# Altium PCB FMC_SDR_LFFE.PcbDoc (part 1 of 3) (continued)
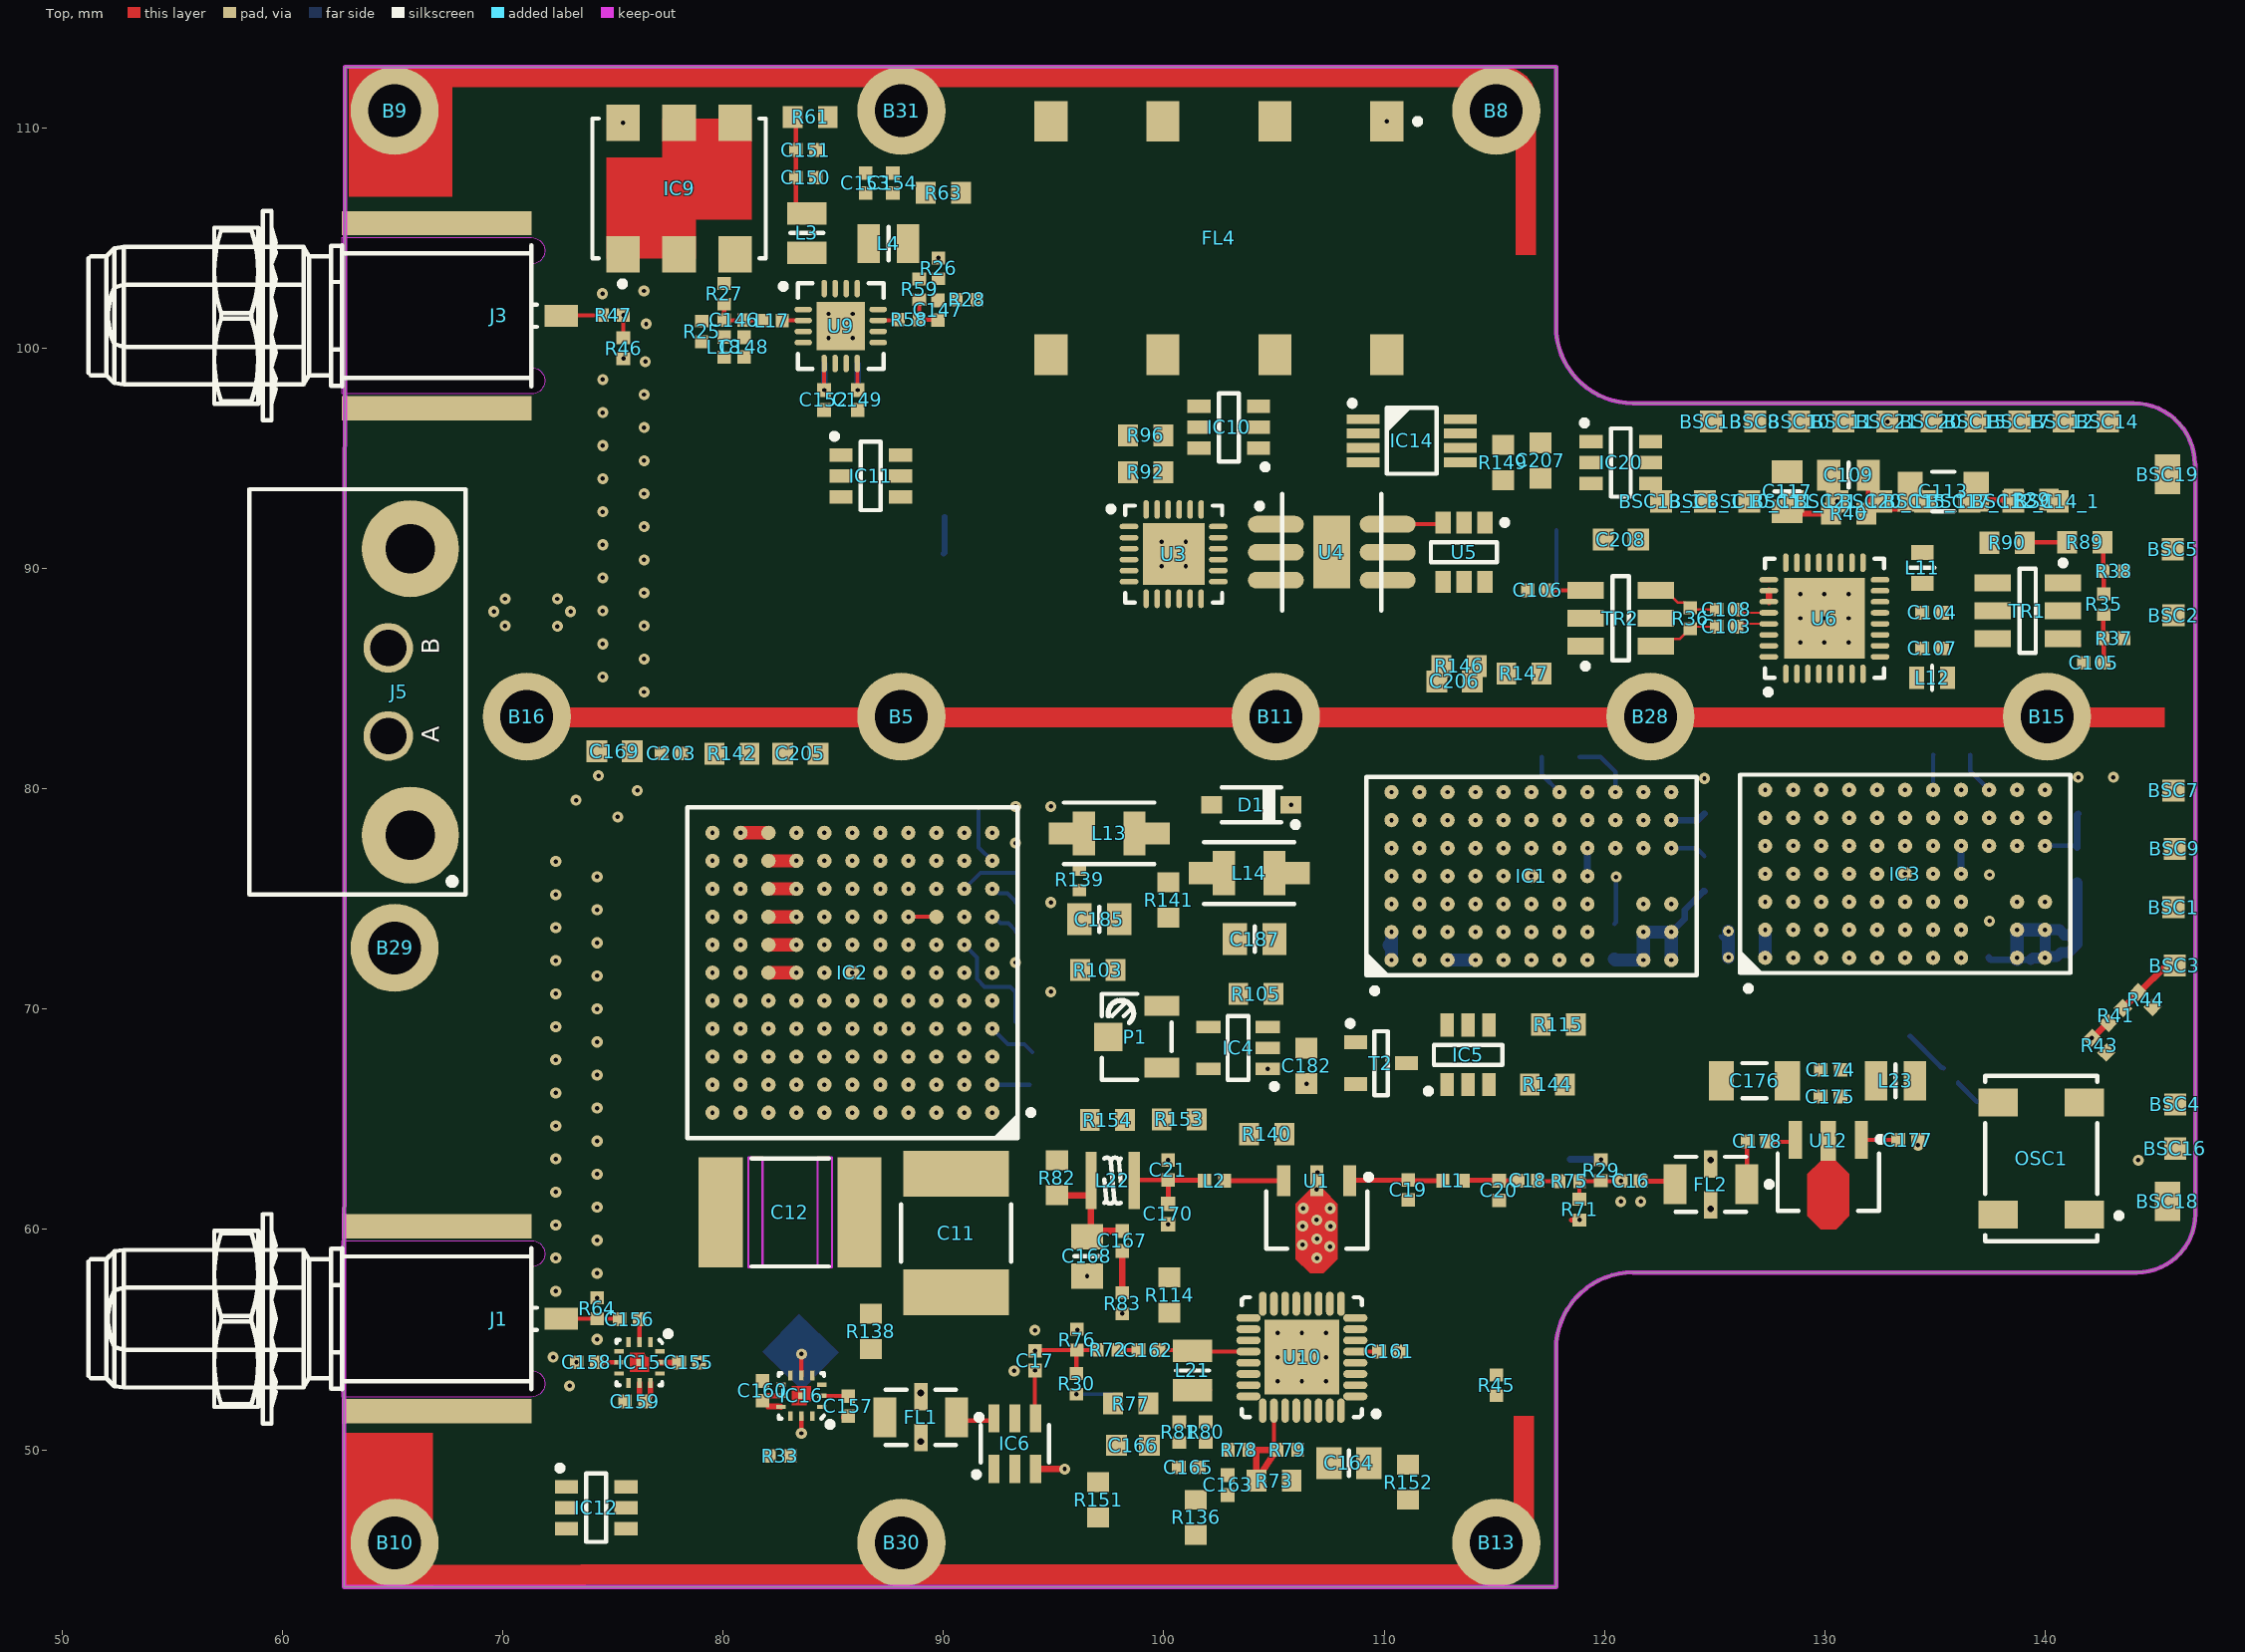
[diagram p0: Top view]
## Components (designator, comment, footprint, x,y, rotation, side; value= is the part's Value field where it differs from the comment)
B5 "Plated Hole" MTG240_400 88.088,83.28 r0 top
B8 "Plated Hole" MTG240_400 115.088,110.78 r0 top
B9 "Plated Hole" MTG240_400 65.088,110.78 r0 top
B10 "Plated Hole" MTG240_400 65.088,45.78 r0 top
B11 "Plated Hole" MTG240_400 105.088,83.28 r0 top
B13 "Plated Hole" MTG240_400 115.088,45.78 r0 top
B15 "Plated Hole" MTG240_400 140.088,83.28 r0 top
B16 "Plated Hole" MTG240_400 71.088,83.28 r0 top
B28 "Plated Hole" MTG240_400 122.088,83.28 r0 top
B29 "Plated Hole" MTG240_400 65.088,72.78 r0 top
B30 "Plated Hole" MTG240_400 88.088,45.78 r0 top
B31 "Plated Hole" MTG240_400 88.088,110.78 r0 top
BSC1 "06031206 Male" PCB_CONN_0603M 145.825,74.627 r0 top locked
BSC2 "06031206 Male" PCB_CONN_0603M 145.825,87.875 r0 top locked
BSC3 "06031206 Male" PCB_CONN_0603M 145.875,71.978 r0 top locked
BSC4 "06031206 Male" PCB_CONN_0603M 145.9,65.68 r0 top locked
BSC5 "06031206 Male" PCB_CONN_0603M 145.8,90.875 r0 top locked
BSC7 "06031206 Male" PCB_CONN_0603M 145.825,79.923 r0 top locked
BSC8 "06031206 Male" PCB_CONN_0603M 126.84,96.672 r90 top locked
BSC8_1 "06031206 Male" PCB_CONN_0603M 124.565,93.047 r90 top (schematic designator BSC8)
BSC9 "06031206 Male" PCB_CONN_0603M 145.875,77.275 r0 top locked
BSC10 "06031206 Male" PCB_CONN_0603M 128.84,96.672 r90 top locked
BSC10_1 "06031206 Male" PCB_CONN_0603M 126.565,93.047 r90 top (schematic designator BSC10)
BSC11 "06031206 Male" PCB_CONN_0603M 130.84,96.672 r90 top locked
BSC11_1 "06031206 Male" PCB_CONN_0603M 128.565,93.047 r90 top (schematic designator BSC11)
BSC12 "06031206 Male" PCB_CONN_0603M 140.84,96.672 r90 top locked
BSC12_1 "06031206 Male" PCB_CONN_0603M 138.565,93.047 r90 top (schematic designator BSC12)
BSC13 "06031206 Male" PCB_CONN_0603M 124.84,96.672 r90 top locked
BSC13_1 "06031206 Male" PCB_CONN_0603M 122.565,93.047 r90 top (schematic designator BSC13)
BSC14 "06031206 Male" PCB_CONN_0603M 142.84,96.672 r90 top locked
BSC14_1 "06031206 Male" PCB_CONN_0603M 140.565,93.047 r90 top (schematic designator BSC14)
BSC15 "06031206 Male" PCB_CONN_0603M 136.84,96.672 r90 top locked
BSC15_1 "06031206 Male" PCB_CONN_0603M 134.565,93.047 r90 top (schematic designator BSC15)
BSC16 "06031206 Male" PCB_CONN_0603M 145.9,63.675 r0 top locked
BSC17 "06031206 Male" PCB_CONN_0603M 138.84,96.672 r90 top locked
BSC17_1 "06031206 Male" PCB_CONN_0603M 136.565,93.047 r90 top (schematic designator BSC17)
BSC18 "1206 Male" PCB_CONN_1206M 145.55,61.275 r0 top locked
BSC19 "1206 Male" PCB_CONN_1206M 145.55,94.275 r0 top locked
BSC20 "06031206 Male" PCB_CONN_0603M 134.84,96.672 r90 top locked
BSC20_1 "06031206 Male" PCB_CONN_0603M 132.565,93.047 r90 top (schematic designator BSC20)
BSC21 "06031206 Male" PCB_CONN_0603M 132.84,96.672 r90 top locked
BSC21_1 "06031206 Male" PCB_CONN_0603M 130.565,93.047 r90 top (schematic designator BSC21)
C1 "2.2uF" CAPC3216X180N 122.4,70.675 r90 bottom
C2 "22uF" CAPC3216X180N 129.2,70.65 r90 bottom
C3 "10uF" CAPC2012X135N 109.325,72.9 r0 bottom
C4 "2.2uF" CAPC3216X180N 82.146,72.302 r180 bottom
C5 "2.2uF" CAPC3216X180N 82.121,74.819 r180 bottom
C6 "2.2uF" CAPC3216X180N 77.471,70.144 r90 bottom
C7 "2.2uF" CAPC3216X180N 82.121,77.369 r180 bottom
C8 "Undefined" CAPC1608X90N 90.846,78.994 r0 bottom
C9 "Undefined" CAPC1608X90N 94.046,76.19 r180 bottom
C10 "2.2uF" CAPC2012X140N 139.35,71.35 r90 bottom
C11 "22uF" CAPC_KEMET_KPS2220 90.575,59.84 r90 top
C12 "47uF" CAPC_TDK_CKG57N 83.041,60.775 r0 top
C13 "100pF" CAPC1005X55N 137.325,61.175 r270 bottom
C14 "1nF" CAPC1005X55N 138.325,61.178 r270 bottom
C15 "10nF" CAPC1608X87N 104.183,70.694 r180 bottom
C16 "1nF" CAPC1005X55N 121.195,62.199 r180 top
C17 "1nF" CAPC1005X55N 94.15,54.047 r270 top
C18 "3.9pF" CAPC1005X55N 116.524,62.219 r180 top
C19 "3.3pF" CAPC1005X55N 111.095,61.794 r90 top
C20 "3.9pF" CAPC1005X55N 115.22,61.769 r90 top
C21 "7.2pF" CAPC1005X55N 100.2,62.7 r270 top
C99 "100pF" CAPC1005X55N 99.971,92.211 r0 bottom
C100 "1nF" CAPC1005X55N 99.971,93.211 r0 bottom
C101 "100pF" CAPC1005X55N 112.513,89.724 r270 bottom
C102 "1nF" CAPC1005X55N 111.513,89.724 r270 bottom
C103 "1nF" CAPC1005X55N 125.547,87.361 r0 top
C104 "1nF" CAPC1005X55N 134.872,87.994 r0 top
C105 "1nF" CAPC1005X55N 142.2,85.725 r0 top
C106 "1nF" CAPC1005X55N 116.972,89.014 r0 top
C107 "1nF" CAPC1005X55N 134.872,86.376 r0 top
C108 "1nF" CAPC1005X55N 125.547,88.136 r0 top
C109 "33nF" CAPC2012X135N 131.082,94.244 r0 top
C110 "100pF" CAPC1005X55N 126.982,91.994 r270 bottom
C111 "100nF" CAPC1005X55N 130.144,91.994 r270 bottom
C112 "10pF" CAPC1005X55N 133.882,90.494 r0 bottom
C113 "1uF" CAPC3216X140N 135.377,93.494 r180 top
C114 "10pF" CAPC1005X55N 113.265,96.12 r0 bottom
C115 "100nF" CAPC1005X55N 125.557,89.238 r0 bottom
C116 "100nF" CAPC1005X55N 125.557,90.244 r180 bottom
C117 "6.8nF" CAPC2012X135N 128.294,93.494 r270 top
C118 "100pF" CAPC1005X55N 129.144,91.994 r270 bottom
C119 "100nF" CAPC1005X55N 127.982,91.994 r270 bottom
C120 "10pF" CAPC1005X55N 125.557,87.226 r0 bottom
C121 "100nF" CAPC1005X55N 125.557,88.232 r0 bottom
C122 "100nF" CAPC1005X55N 113.265,97.126 r0 bottom
C123 "100pF" CAPC1005X55N 106.015,96.977 r90 bottom
C124 "100nF" CAPC1005X55N 107.015,96.977 r90 bottom
C128 "1uF" CAPC1608X87N 99.897,95.129 r270 bottom
C129 "1uF" CAPC1608X87N 101.597,96.625 r90 bottom
C130 "1uF" CAPC1608X87N 98.246,95.186 r90 bottom
C131 "1uF" CAPC1608X87N 89.2,90.674 r0 bottom
C136 "1uF" CAPC1608X87N 86.6,90.774 r270 bottom
C139 "1uF" CAPC1608X87N 83.775,94.225 r90 bottom
C146 "100pF" CAPC1005X55N 80.5,101.272 r0 top
C147 "100pF" CAPC1005X55N 89.75,101.725 r90 top
C148 "Undefined" CAPC1005X55N 80.95,100.05 r90 top
C149 "100pF" CAPC1005X55N 86.109,97.651 r90 top
C150 "100pF" CAPC1005X55N 83.75,107.75 r180 top
C151 "100nF" CAPC1005X55N 83.75,109 r180 top
C152 "100pF" CAPC1005X55N 84.584,97.651 r90 top
C153 "100pF" CAPC1005X55N 86.47,107.5 r270 top
C154 "100nF" CAPC1005X55N 87.698,107.5 r270 top
C155 "1nF" CAPC1005X55N 78.45,53.963 r0 top
C156 "1nF" CAPC1005X55N 75.75,55.925 r0 top
C157 "1nF" CAPC1005X55N 85.675,51.985 r270 top
C158 "1nF" CAPC1005X55N 73.8,53.97 r180 top
C159 "10nF" CAPC1005X55N 76,52.193 r0 top
C160 "10nF" CAPC1005X55N 81.784,52.675 r270 top
C161 "1nF" CAPC1005X55N 110.225,54.459 r180 top
C162 "1nF" CAPC1005X55N 99.3,54.524 r180 top
C163 "1nF" CAPC1005X55N 102.9,48.4 r90 top
C164 "1uF" CAPC2012X110N 108.4,49.4 r180 top
C165 "1nF" CAPC1005X55N 101.13,49.2 r0 top
C166 "10nF" CAPC1608X90N 98.6,50.2 r0 top
C167 "100pF" CAPC1005X55N 98.117,59.48 r90 top
C168 "1uF" CAPC2012X110N 96.517,58.78 r90 top
C169 "1uF" CAPC1608X87N 75.075,81.7 r0 top
C170 "12pF" CAPC1005X61N 100.2,60.7 r270 top
C174 "100pF" CAPC1005X55N 130.271,67.25 r0 top
C175 "1nF" CAPC1005X55N 130.257,66.035 r0 top
C176 "10uF" CAPC3216X180N 126.807,66.753 r0 top
C177 "100pF" CAPC1005X55N 133.781,64.068 r180 top
C178 "100pF" CAPC1005X55N 126.94,64.003 r180 top
C181 "470nF" CAPC2012X135N 102.521,79.28 r0 bottom
C182 "1uF" CAPC1608X87N 106.471,67.419 r90 top
C183 "10uF" CAPC2012X95N 100.961,67.244 r0 bottom
C184 "1uF" CAPC1608X87N 75.175,49.775 r0 bottom
C185 "10uF" CAPC2012X95N 97.071,74.077 r180 top
C186 "100pF" CAPC1005X55N 105.725,78.044 r0 bottom
C187 "10uF" CAPC2012X95N 104.124,73.177 r0 top
C188 "1uF" CAPC1608X87N 74.27,46.422 r0 bottom
C189 "1uF" CAPC1608X87N 81.5,46.3 r180 bottom
C192 "1uF" CAPC1608X87N 110.609,68.505 r90 bottom
C193 "1uF" CAPC1608X87N 115.5,67.025 r90 bottom
C194 "1uF" CAPC1608X87N 117.109,68.505 r90 bottom
C200 "100pF" CAPC1005X55N 132.382,91.994 r270 bottom
C201 "100nF" CAPC1005X55N 131.382,91.994 r270 bottom
C202 "100nF" CAPC1005X55N 111.977,95.725 r90 bottom
C203 "100nF" CAPC1005X55N 77.65,81.6 r180 top
C205 "1uF" CAPC1608X87N 83.5,81.6 r0 top
C206 "1uF" CAPC1608X87N 113.2,84.875 r180 top
C207 "1uF" CAPC1608X87N 117.097,94.894 r270 top
C208 "1uF" CAPC1608X87N 120.74,91.311 r0 top
D1 "MBR0520L" SOD3816X118N 103.974,79.277 r180 top
FL1 "DC to 850MHz" FIL_MINI-CIRCUITS_FV1206 88.969,51.475 r180 top value="DC to 1575MHz"
FL2 "DC to 850MHz" FIL_MINI-CIRCUITS_FV1206 124.825,62.05 r180 top value="DC to 1575MHz"
FL4 "769 to 872 MHz" SXBP-820+ 102.5,105 r270 top
IC1 "LTM8032IY#PBF" BGA71C127P7X11_900X1500X362 116.685,76.043 r90 top
IC2 "LTM8056IY#PBF" BGA121C127P11X11_1500X1500X512 85.865,71.654 r180 top
IC3 "LTM8032IY#PBF" BGA71C127P7X11_900X1500X362 133.645,76.143 r90 top
IC4 "LT1964ES5-BYP#TRMPBF" SOT95P280X100-5N 103.371,68.244 r180 top
IC5 "ADP3300ARTZ-5-RL7" SOT95P280X145-6N 113.809,67.93 r90 top
IC6 "D17W+" MINI-CIRCUITS_CA531 93.236,50.278 r90 top
IC9 "RLM-33-2W+" MINI-CIRCUITS_TT1224 78,107.25 r90 top
IC10 "ADP3300ARTZ-3.3-RL7" SOT95P280X145-6N 102.947,96.411 r180 top
IC11 "ADP3300ARTZ-3.3-RL7" SOT95P280X145-6N 86.7,94.204 r0 top
IC12 "ADP3300ARTZ-3.3-RL7" SOT95P280X145-6N 74.24,47.372 r0 top
IC14 "LTC2851CMS8#PBF" SOP65P490X110-8N 111.252,95.803 r0 top
IC15 "JSW2-63DR+" MINI-CIRCUITS_MT1818 76.2,53.963 r270 top
IC16 "JSW2-63DR+" MINI-CIRCUITS_MT1818 83.55,52.45 r180 top
IC18 "LTC2851CMS8#PBF" SOP65P490X110-8N 81.6,82.7 r180 bottom
IC19 "ADP3300ARTZ-3.3-RL7" SOT95P280X145-6N 75.95,82.95 r180 bottom
IC20 "ADP3300ARTZ-5-RL7" SOT95P280X145-6N 120.74,94.811 r0 top
J1 "SMA" TELEGARTNER_J01151A0451 72.65,55.95 r180 top
J2 "U.FL" HIROSE_U.FL-R-SMT-1(10) 95.75,87.05 r270 bottom
J3 "SMA" TELEGARTNER_J01151A0451 72.65,101.475 r180 top
J4 "U.FL" HIROSE_U.FL-R-SMT-1(10) 117.828,93.261 r180 bottom
J5 "M80-5000000M5-02-333-00-000" M80-5000000M5-02-333-00-000 65.8,84.4 r90 top
J6 "U.FL" HIROSE_U.FL-R-SMT-1(10) 142.09,91.425 r0 bottom
J7 "U.FL" HIROSE_U.FL-R-SMT-1(10) 132.325,68.775 r270 bottom
J8 "U.FL" HIROSE_U.FL-R-SMT-1(10) 80.526,100.325 r90 bottom
J9 "U.FL" HIROSE_U.FL-R-SMT-1(10) 88.225,104.108 r270 bottom
J10 "U.FL" HIROSE_U.FL-R-SMT-1(10) 99.175,52.535 r90 bottom
J11 "U.FL" HIROSE_U.FL-R-SMT-1(10) 116.92,63.189 r270 bottom
L1 "2.7nH" INDC1005X55N 113.124,62.219 r180 top
L2 "3.3nH" INDC1005X55N 102.3,62.214 r180 top
L3 "24nH" IND_COILCRAFT_0805CS 83.8,105.23 r270 top
L4 "24nH" IND_COILCRAFT_0805CS 87.5,104.75 r180 top
L11 "100nH" IND_COILCRAFT_0603HP 134.422,90.032 r90 top
L12 "100nH" IND_COILCRAFT_0603HP 134.872,85.044 r180 top
L13 "10uH" IND_MURATA_LQH32C 97.521,77.977 r0 top
L14 "10uH" IND_MURATA_LQH32C 103.874,76.177 r0 top
L17 "10nH" INDC1005X55N 82.22,101.26 r0 top
L18 "10nH" INDC1005X55N 80.045,100.05 r90 top
L21 "330nH" IND_COILCRAFT_0805CS 101.3,53.6 r90 top
L22 "15.7nH" IND_COILCRAFT_0806SQ-16N 97.675,62.219 r180 top
L23 "150nH" IND_COILCRAFT_0805CS 133.207,66.753 r180 top
OSC1 "80MHz" OSC_CRYSTEK_CCHD-575 139.825,63.225 r180 top
P1 "50k" TRIM_BOURNS_3223W 98.771,68.744 r90 top
R1 "0" RESC1005X40N 135.725,67 r315 bottom
R2 "0" RESC1005X40N 137.37,65.8 r180 bottom
R3 "Undefined" RESC1005X40N 86.575,99.275 r180 bottom
R4 "49R9" RESC1005X40N 133.982,87.994 r270 bottom
R5 "0" RESC1608X55N 120.45,73.075 r270 bottom
R6 "0" RESC1608X55N 141.45,76.525 r270 bottom
R7 "0" RESC1608X55N 137.45,73.15 r270 bottom
R8 "42k2" RESC1608X55N 118.875,82.25 r90 bottom
R9 "44R2" RESC1608X55N 117.15,82.25 r90 bottom
R10 "66k5" RESC1608X55N 136.6,82.35 r90 bottom
R11 "54k9" RESC1608X55N 134.925,82.35 r90 bottom
R12 "0" RESC1608X55N 94.025,67.244 r270 bottom
R13 "100k" RESC1608X55N 94.046,74.836 r0 bottom
R14 "42k2" RESC1608X55N 94.096,73.482 r180 bottom
R15 "5k36" RESC1608X55N 94.046,77.544 r180 bottom
R16 "0" RESC1608X55N 94.046,72.127 r180 bottom
R17 "Undefined" RESC1608X55N 94.046,70.773 r180 bottom
R18 "Undefined" RESC1608X55N 94.046,69.419 r180 bottom
R19 "Undefined" RESC1608X55N 138.275,76.1 r180 bottom
R20 "0" RESC1608X55N 124.535,76.15 r270 bottom
R21 "Undefined" RESC1608X55N 121.325,76.025 r180 bottom
R22 "Undefined" RESC1608X55N 100.961,69.044 r0 bottom
R23 "10k" RESC1005X40N 97.481,68.244 r90 bottom
R24 "Undefined" RESC1608X55N 100.961,70.644 r0 bottom
R25 "0" RESC1005X40N 79.025,100.763 r90 top
R26 "0" RESC1005X40N 89.775,103.625 r270 top
R27 "0" RESC1005X40N 80.045,102.475 r270 top
R28 "0" RESC1005X40N 91.055,102.2 r0 top
R29 "0" RESC1005X40N 119.836,62.689 r270 top
R30 "0" RESC1005X40N 96.031,52.995 r90 top
R31 "10k" RESC1005X40N 93.675,53.585 r180 bottom
R32 "10k" RESC1005X40N 94.15,54.957 r270 bottom
R33 "0" RESC1005X40N 82.575,49.719 r0 top
R34 "10k" RESC1005X40N 121.645,61.739 r270 bottom
R35 "36" RESC1005X40N 142.66,88.386 r90 top
R36 "100" RESC1005X40N 123.898,87.744 r270 top
R37 "150" RESC1005X40N 143.11,86.836 r180 top
R38 "150" RESC1005X40N 143.11,89.886 r180 top
R39 "68" RESC1608X55N 139.375,93.119 r180 top
R40 "430" RESC1608X55N 131.082,92.494 r0 top
R41 "249" RESC1005X40N 143.2,69.71 r45 top
R42 "10k" RESC1005X40N 120.745,61.739 r270 bottom
R43 "62" RESC1005X40N 142.45,68.36 r135 top
R44 "62" RESC1005X40N 144.55,70.435 r135 top
R45 "1M" RESC1005X40N 115.1,52.925 r90 top
R46 "0" RESC1005X40N 75.47,100 r270 top
R47 "0" RESC1005X40N 75,101.5 r0 top
R48 "0" RESC1005X40N 86.109,97.651 r270 bottom
R49 "Undefined" RESC1005X40N 90.4,97.75 r0 bottom
R50 "Undefined" RESC1608X55N 142.3,80.525 r180 bottom
R51 "Undefined" RESC1608X55N 94.075,79.2 r180 bottom
R52 "Undefined" RESC1608X55N 124.535,79.675 r270 bottom
R53 "0" RESC1005X40N 84.124,99.3 r180 bottom
R58 "5R1" RESC1005X40N 88.43,101.3 r0 top
R59 "39k" RESC1005X40N 88.9,102.675 r270 top
R61 "0" RESC1608X55N 83.95,110.5 r180 top
R63 "0" RESC1608X55N 90,107.05 r180 top
R64 "0" RESC1005X40N 74.275,56.425 r90 top
R66 "200" RESC3216X65N 85.775,56.609 r45 bottom
R67 "200" RESC3216X65N 85.785,52.159 r315 bottom
R68 "200" RESC3216X65N 81.3,56.634 r135 bottom
R69 "200" RESC3216X65N 81.299,52.159 r225 bottom
R70 "0" RESC1608X55N 115.397,87.096 r0 bottom
R71 "0" RESC1005X40N 118.863,60.904 r270 top
R72 "0" RESC1005X40N 97.45,54.534 r180 top
R73 "0" RESC1608X55N 105,48.6 r180 top
R75 "0" RESC1005X40N 118.403,62.194 r0 top
R76 "0" RESC1005X40N 96.05,55 r270 top
R77 "0" RESC1608X55N 98.5,52.1 r180 top
R78 "10" RESC1005X40N 103.4,50 r0 top
R79 "10" RESC1005X40N 105.6,50 r180 top
R80 "10" RESC1005X40N 101.9,50.8 r90 top
R81 "10" RESC1005X40N 100.7,50.8 r90 top
R82 "0" RESC1608X55N 95.15,62.35 r90 top
R83 "5R1" RESC1005X40N 98.117,56.65 r90 top
R84 "0" RESC1608X55N 118.572,87.096 r0 bottom
R85 "0" RESC1608X55N 102.496,91.494 r270 bottom
R86 "0" RESC1608X55N 110.123,90.224 r90 bottom
R87 "Undefined" RESC1608X55N 117.028,89.04 r180 bottom
R88 "0" RESC1608X55N 125.593,92.444 r270 bottom
R89 "0" RESC1608X55N 141.797,91.191 r180 top
R90 "Undefined" RESC1608X55N 138.272,91.173 r0 top
R91 "Undefined" RESC3216X65N 96.147,92.711 r270 bottom
R92 "0" RESC1608X55N 99.171,94.379 r0 top
R94 "Undefined" RESC1608X55N 100.209,73.327 r90 bottom
R95 "0" RESC1608X55N 126.425,72.95 r180 bottom
R96 "0" RESC1608X55N 99.171,96.047 r180 top
R98 "0" RESC1608X55N 113.5,71.4 r270 bottom
R99 "Undefined" RESC3216X65N 89.85,95.874 r0 bottom
R100 "0" RESC1608X55N 90.05,93.146 r90 bottom
R101 "0" RESC1608X55N 86.6,94.004 r90 bottom
R102 "Undefined" RESC3216X65N 71.15,47.8 r90 bottom
R103 "0" RESC1608X55N 97,71.775 r180 top
R104 "0" RESC1608X55N 105.075,74.077 r270 bottom
R105 "0" RESC1608X55N 104.183,70.694 r0 top
R106 "0" RESC1608X55N 75.175,48.05 r180 bottom
R107 "0" RESC1608X55N 78.21,46.3 r0 bottom
R109 "73k2" RESC1608X55N 105.624,76.777 r0 bottom
R111 "24k9" RESC1608X55N 102.524,76.777 r0 bottom
R113 "0" RESC1608X55N 112.65,67.625 r90 bottom
R114 "0" RESC1608X55N 100.254,57.03 r270 top
R115 "0" RESC1608X55N 117.909,69.305 r0 top
R116 "Undefined" RESC3216X65N 77.471,76.194 r270 bottom
R125 "0" RESC1608X55N 133.707,92.594 r270 bottom
R126 "0" RESC1608X55N 142.225,72.975 r180 bottom
R127 "Undefined" RESC3216X65N 71.325,88 r0 bottom
R129 "Undefined" RESC1608X55N 142.3,78.875 r180 bottom
R130 "0" RESC1608X55N 132.7,84.5 r180 bottom
R131 "Undefined" RESC1608X55N 104.3,96.637 r90 bottom
R132 "0" RESC1608X55N 110.127,94.303 r0 bottom
R133 "0" RESC1608X55N 110.552,96.603 r270 bottom
R134 "0" RESC1608X55N 88.3,93.146 r270 bottom
R136 "0" RESC1608X55N 101.454,46.93 r90 top
R137 "0" RESC1608X55N 98.796,79.569 r90 bottom
R138 "0" RESC1608X55N 86.7,55.375 r90 top
R139 "56k" RESC1005X40N 96.171,75.877 r90 top
R140 "0" RESC1608X55N 104.669,64.33 r180 top
R141 "0" RESC1608X55N 100.209,74.952 r270 top
R142 "0" RESC1608X55N 80.4,81.6 r180 top
R143 "56k" RESC1005X40N 114.025,66.975 r270 bottom
R144 "Undefined" RESC1608X55N 117.409,66.58 r180 top
R145 "0" RESC1608X55N 108.609,67.55 r90 bottom
R146 "0" RESC1608X55N 113.4,85.575 r180 top
R147 "0" RESC1608X55N 116.35,85.237 r0 top
R148 "0" RESC1608X55N 123.438,92.361 r90 bottom
R149 "Undefined" RESC1608X55N 115.397,94.811 r270 top
R150 "Undefined" RESC1608X55N 87.596,78.994 r0 bottom
R151 "0" RESC1608X55N 97.025,47.73 r90 top
R152 "0" RESC1608X55N 111.089,48.53 r90 top
R153 "0" RESC1608X55N 100.7,65 r0 top
R154 "0" RESC1608X55N 97.446,64.97 r0 top
T1 "2N7002" SOT95P240X130-3N 97.321,72.302 r180 bottom
T2 "2N7002" SOT95P240X130-3N 109.859,67.55 r0 top
TR1 "1:1" XFMR_MINI-CIRCUITS_DB1627 139.21,88.081 r270 top
TR2 "1:1" XFMR_MINI-CIRCUITS_DB1627 120.737,87.744 r90 top
U1 "HMC453" HMC453 106.941,60.464 r270 top
U3 "HMC384" HMC384 100.446,90.657 r0 top
U4 "SBB-2-23+" SBB-2-23 107.621,90.744 r0 top
U5 "HCM433" HMC433 113.621,90.744 r270 top
U6 "ADF5356" ADF3356 129.982,87.744 r90 top
U8 "LT1617" LT1617 97.471,75.927 r180 bottom
U9 "QPL9065" QPL9065 85.334,101.01 r0 top
U10 "TGA2237-SM" TGA2237-SM 106.266,54.205 r180 top
U12 "ADL5544" ADL5544 130.16,62.468 r270 top

## Footprints (in the part's own frame and the unit in brackets; to place one, negate y for a bottom-side part, rotate by r counter-clockwise, add the part's x,y. Pads: shape width x height; smd on the part's side, far side on the other; paste and mask are expansions set on the pad)
ADF3356 [mm] "QFN, 32-Leads, Body 5,00x5,00mm, Pitch 0,50mm, Thermal Pad 3,65x3,65mm, IPC Low Density"
  oval 0.85x0.25 smd: 1(-2.525,1.75) 2(-2.525,1.25) 3(-2.525,0.75) 4(-2.525,0.25) 5(-2.525,-0.25) 6(-2.525,-0.75) 7(-2.525,-1.25) 8(-2.525,-1.75) 17(2.525,-1.75) 18(2.525,-1.25) 19(2.525,-0.75) 20(2.525,-0.25) 21(2.525,0.25) 22(2.525,0.75) 23(2.525,1.25) 24(2.525,1.75)
  oval 0.25x0.85 smd: 9(-1.75,-2.525) 10(-1.25,-2.525) 11(-0.75,-2.525) 12(-0.25,-2.525) 13(0.25,-2.525) 14(0.75,-2.525) 15(1.25,-2.525) 16(1.75,-2.525) 25(1.75,2.525) 26(1.25,2.525) 27(0.75,2.525) 28(0.25,2.525) 29(-0.25,2.525) 30(-0.75,2.525) 31(-1.25,2.525) 32(-1.75,2.525)
  rect 3.65x3.65 smd: 33(0,0)
  silkscreen extent -3.47,-2.7 2.7,2.7, body extent -2.55,-2.55 2.55,2.55, height 0.8
ADL5544 [mm] "SOT89, 3-Leads, Body 4,50x2,45mm, Pitch 1,50mm, Lead Span 3,5mm, IPC Low Density"
  rect 1.7x0.6 smd: 1(-1.6,1.5) 3(-1.6,-1.5)
  rect 1.8x0.7 smd: 2(-1.55,0)
  Top region: -0.65,0.35 -0.05,0.95 1.85,0.95 2.45,0.35 2.45,-0.35 1.85,-0.95 -0.05,-0.95 -0.65,-0.35
  silkscreen extent -1.75,-2.3 1.62,2.48, body extent -0.98,-2.3 1.62,2.3, height 1.6
BGA71C127P7X11_900X1500X362 [mm] "BGA, 1.27mm Pitch, Rect.; 71 Pin, 7 Columns X 11 Rows, 9.00mm X 15.00mm X 3.62mm H"
  round 0.65 smd: A1(-3.81,6.35) A2(-2.54,6.35) A3(-1.27,6.35) A4(0,6.35) A5(1.27,6.35) A6(2.54,6.35) A7(3.81,6.35) B1(-3.81,5.08) B2(-2.54,5.08) B3(-1.27,5.08) B4(0,5.08) B5(1.27,5.08) B6(2.54,5.08) B7(3.81,5.08) C1(-3.81,3.81) C2(-2.54,3.81) C3(-1.27,3.81) C4(0,3.81) C5(1.27,3.81) C6(2.54,3.81) C7(3.81,3.81) D1(-3.81,2.54) D2(-2.54,2.54) D3(-1.27,2.54) D4(0,2.54) D5(1.27,2.54) D6(2.54,2.54) D7(3.81,2.54) E1(-3.81,1.27) E2(-2.54,1.27) E3(-1.27,1.27) E4(0,1.27) E5(1.27,1.27) E6(2.54,1.27) E7(3.81,1.27) F1(-3.81,0) F2(-2.54,0) F3(-1.27,0) F4(0,0) F5(1.27,0) F6(2.54,0) F7(3.81,0) G1(-3.81,-1.27) G2(-2.54,-1.27) G3(-1.27,-1.27) G4(0,-1.27) G5(1.27,-1.27) G6(2.54,-1.27) G7(3.81,-1.27) H1(-3.81,-2.54) H2(-2.54,-2.54) H3(-1.27,-2.54) H4(0,-2.54) H5(1.27,-2.54) H6(2.54,-2.54) H7(3.81,-2.54) J5(1.27,-3.81) J6(2.54,-3.81) J7(3.81,-3.81) K1(-3.81,-5.08) K2(-2.54,-5.08) K3(-1.27,-5.08) K5(1.27,-5.08) K6(2.54,-5.08) K7(3.81,-5.08) L1(-3.81,-6.35) L2(-2.54,-6.35) L3(-1.27,-6.35) L5(1.27,-6.35) L6(2.54,-6.35) L7(3.81,-6.35)
  silkscreen extent -5.33,-7.5 4.5,7.5, body extent -4.5,-7.5 4.5,7.5, height 3.62
BGA121C127P11X11_1500X1500X512 [mm] "BGA,1.27mm Pitch, Square;121 Pin, 11 Columns X 11 Rows, 15.00mm X 15.00mm X 5.12mm H"
  round 0.65 smd: A1(-6.35,6.35) A2(-5.08,6.35) A3(-3.81,6.35) A4(-2.54,6.35) A5(-1.27,6.35) A6(0,6.35) A7(1.27,6.35) A8(2.54,6.35) A9(3.81,6.35) A10(5.08,6.35) A11(6.35,6.35) B1(-6.35,5.08) B2(-5.08,5.08) B3(-3.81,5.08) B4(-2.54,5.08) B5(-1.27,5.08) B6(0,5.08) B7(1.27,5.08) B8(2.54,5.08) B9(3.81,5.08) B10(5.08,5.08) B11(6.35,5.08) C1(-6.35,3.81) C2(-5.08,3.81) C3(-3.81,3.81) C4(-2.54,3.81) C5(-1.27,3.81) C6(0,3.81) C7(1.27,3.81) C8(2.54,3.81) C9(3.81,3.81) C10(5.08,3.81) C11(6.35,3.81) D1(-6.35,2.54) D2(-5.08,2.54) D3(-3.81,2.54) D4(-2.54,2.54) D5(-1.27,2.54) D6(0,2.54) D7(1.27,2.54) D8(2.54,2.54) D9(3.81,2.54) D10(5.08,2.54) D11(6.35,2.54) E1(-6.35,1.27) E2(-5.08,1.27) E3(-3.81,1.27) E4(-2.54,1.27) E5(-1.27,1.27) E6(0,1.27) E7(1.27,1.27) E8(2.54,1.27) E9(3.81,1.27) E10(5.08,1.27) E11(6.35,1.27) F1(-6.35,0) F2(-5.08,0) F3(-3.81,0) F4(-2.54,0) F5(-1.27,0) F6(0,0) F7(1.27,0) F8(2.54,0) F9(3.81,0) F10(5.08,0) F11(6.35,0) G1(-6.35,-1.27) G2(-5.08,-1.27) G3(-3.81,-1.27) G4(-2.54,-1.27) G5(-1.27,-1.27) G6(0,-1.27) G7(1.27,-1.27) G8(2.54,-1.27) G9(3.81,-1.27) G10(5.08,-1.27) G11(6.35,-1.27) H1(-6.35,-2.54) H2(-5.08,-2.54) H3(-3.81,-2.54) H4(-2.54,-2.54) H5(-1.27,-2.54) H6(0,-2.54) H7(1.27,-2.54) H8(2.54,-2.54) H9(3.81,-2.54) H10(5.08,-2.54) H11(6.35,-2.54) J1(-6.35,-3.81) J2(-5.08,-3.81) J3(-3.81,-3.81) J4(-2.54,-3.81) J5(-1.27,-3.81) J6(0,-3.81) J7(1.27,-3.81) J8(2.54,-3.81) J9(3.81,-3.81) J10(5.08,-3.81) J11(6.35,-3.81) K1(-6.35,-5.08) K2(-5.08,-5.08) K3(-3.81,-5.08) K4(-2.54,-5.08) K5(-1.27,-5.08) K6(0,-5.08) K7(1.27,-5.08) K8(2.54,-5.08) K9(3.81,-5.08) K10(5.08,-5.08) K11(6.35,-5.08) L1(-6.35,-6.35) L2(-5.08,-6.35) L3(-3.81,-6.35) L4(-2.54,-6.35) L5(-1.27,-6.35) L6(0,-6.35) L7(1.27,-6.35) L8(2.54,-6.35) L9(3.81,-6.35) L10(5.08,-6.35) L11(6.35,-6.35)
  silkscreen extent -8.23,-7.5 7.5,7.5, body extent -7.5,-7.5 7.5,7.5, height 5.21
CAPC1005X55N [mm] "Capacitor, Non-Polarized, Chip; 1.00mm L X 0.50mm W X 0.70mm H, IPC Medium Density"
  rect 0.62x0.62 smd: 1(-0.45,0) 2(0.45,0)
  body extent -0.52,-0.27 0.53,0.28, height 0.55
CAPC1005X61N [mm] "Capacitor, Non-Polarized, Chip; 1.02mm L X 0.51mm W X 0.61mm H, IPC Medium Density"
  rect 0.65x0.65 smd: 1(-0.46,0) 2(0.46,0)
  body extent -0.56,-0.3 0.56,0.31, height 0.61
CAPC1608X87N [mm] "Chip Capacitor, Body 1.6x0.8mm IPC Medium Density"
  rect 0.95x1 smd: 1(-0.8,0) 2(0.8,0)
  body extent -0.87,-0.47 0.88,0.48, height 0.87
CAPC1608X90N [mm] "Chip Capacitor, Body 1.6x0.8mm IPC Medium Density"
  rect 0.95x0.95 smd: 1(-0.75,0) 2(0.75,0)
  body extent -0.85,-0.45 0.85,0.45, height 0.9
CAPC2012X95N [mm] "Chip Capacitor, Body 2.0x1.25mm, IPC Medium Density"
  rect 1.1x1.45 smd: 1(-0.9,0) 2(0.9,0)
  silkscreen extent 0,-0.58 0,0.58, body extent -1.05,-0.67 1.05,0.68, height 0.95
CAPC2012X110N [mm] "Chip Capacitor, Body 2.0x1.25mm, IPC Medium Density"
  rect 1.15x1.45 smd: 1(-0.9,0) 2(0.9,0)
  silkscreen extent 0,-0.58 0,0.58, body extent -1.05,-0.67 1.05,0.68, height 1.1
CAPC2012X135N [mm] "Chip Capacitor, Body 2.0x1.25mm, IPC Medium Density"
  rect 1.05x1.4 smd: 1(-0.9,0) 2(0.9,0)
  silkscreen extent 0,-0.58 0,0.58, body extent -1.05,-0.67 1.05,0.68, height 1.25
CAPC2012X140N [mm] "Chip Capacitor, Body 2.0x1.25mm, IPC Medium Density"
  rect 1.15x1.45 smd: 1(-0.9,0) 2(0.9,0)
  silkscreen extent 0,-0.58 0,0.58, body extent -1.05,-0.67 1.05,0.68, height 1.3
CAPC3216X140N [mm] "Chip Capacitor, Body 3.2x1.6mm, IPC Medium Density"
  rect 1.15x1.8 smd: 1(-1.5,0) 2(1.5,0)
  silkscreen extent -0.5,-0.9 0.5,0.9, body extent -1.7,-0.9 1.7,0.9, height 1.4
CAPC3216X180N [mm] "Chip Capacitor, Body 3.2x1.6mm, IPC Medium Density"
  rect 1.15x1.8 smd: 1(-1.5,0) 2(1.5,0)
  silkscreen extent -0.55,-0.8 0.55,0.8, body extent -1.7,-0.9 1.7,0.9, height 1.8
CAPC_KEMET_KPS2220 [mm] "Multilayer Ceramic Chip Capacitors - Stacked Cap - KEMET KPS Series"
  rect 2.08x4.78 smd: 1(-2.69,0) 2(2.69,0)
  silkscreen extent -1.3,-2.5 1.3,2.5, body extent -3,-2.5 3,2.5, height 5.5
CAPC_TDK_CKG57N [mm] "Multilayer Ceramic Chip Capacitors - Stacked Cap - TDK CKG57N Serie"
  rect 2x5 smd: 1(-3.15,0) 2(3.15,0)
  Top keep-out lines w0.1: -1.9,-2.5 -1.9,2.5 -1.25,2.5 -1.25,-2.5 -1.9,-2.5 ; 1.25,-2.5 1.9,-2.5 1.9,2.5 1.25,2.5 1.25,-2.5
  silkscreen extent -1.75,-2.45 1.75,2.45, body extent -3.25,-2.5 3.25,2.5, height 5.5
FIL_MINI-CIRCUITS_FV1206 [mm] "MINI-CIRCUITS Case FV1206 - Body 3.2x1.6mm"
  rect 1.04x1.8 smd: 1(-1.625,0) 3(1.625,0)
  rect 0.61x1.245 smd: 2(0,-0.928) 4(0,0.927)
  silkscreen extent -2.78,-1.25 1.6,1.25, body extent -1.6,-0.8 1.6,0.8, height 0.94
HIROSE_U.FL-R-SMT-1(10) [mm] "Up to 6GHz Ultra Small Surface Mount Male Coaxial Connectors U.FL Series"
  rect 1x1.05 smd: 1(0,-1.525)
  rect 1.05x2.2 smd: 2(-1.475,0) 2(1.475,0)
  Top keep-out lines w0.1: 0.6,0 ccw(c0,0) -0.6,0 -0.6,-0.65 0.6,-0.65 0.6,0
  silkscreen extent -0.7,-0.69 0.7,1.55, body extent -1.5,-1.55 1.5,1.55, height 1.25
HMC384 [mm]
  oval 0.85x0.25 smd: 1(-2.025,1.25) 2(-2.025,0.75) 3(-2.025,0.25) 4(-2.025,-0.25) 5(-2.025,-0.75) 6(-2.025,-1.25) 13(2.025,-1.25) 14(2.025,-0.75) 15(2.025,-0.25) 16(2.025,0.25) 17(2.025,0.75) 18(2.025,1.25)
  oval 0.25x0.85 smd: 7(-1.25,-2.025) 8(-0.75,-2.025) 9(-0.25,-2.025) 10(0.25,-2.025) 11(0.75,-2.025) 12(1.25,-2.025) 19(1.25,2.025) 20(0.75,2.025) 21(0.25,2.025) 22(-0.25,2.025) 23(-0.75,2.025) 24(-1.25,2.025)
  rect 2.8x2.8 smd: 25(0,0)
  silkscreen extent -2.97,-2.2 2.2,2.2, body extent -2.05,-2.05 2.05,2.05, height 1
HMC433 [mm] "SOT23, 6-Leads, Body 2,90x2,80mm, Pitch 0,95mm, IPC Medium Density"
  rect 1x0.7 smd: 1(-1.35,0.95) 2(-1.35,0) 3(-1.35,-0.95) 4(1.35,-0.95) 5(1.35,0) 6(1.35,0.95)
  silkscreen extent -1.47,-1.5 0.45,1.98, body extent -0.85,-1.5 0.85,1.5, height 1.3
HMC453 [mm] "SOT89, 3-Leads, Body 4,50x2,45mm, Pitch 1,50mm, Lead Span 4,0mm, IPC Medium Density"
  rect 1.4x0.6 smd: 1(-1.75,1.5) 2(-1.75,0) 3(-1.75,-1.5)
  Top region: -1.35,0.3 -0.7,0.95 1.8,0.95 2.45,0.3 2.45,-0.3 1.8,-0.95 -0.7,-0.95 -1.35,-0.3
  silkscreen extent -2.04,-2.3 1.33,2.48, body extent -1.27,-2.3 1.33,2.3, height 1.6
IND_COILCRAFT_0603HP [mm] "Chip Inductor, Body Width 1.09mm Body Lenght 1.75mm Height 0.94mm"
  rect 0.69x1.02 smd: 1(-0.7,0) 2(0.7,0)
  silkscreen extent 0,-0.55 0,0.55, body extent -0.87,-0.54 0.88,0.55, height 0.93
IND_COILCRAFT_0805CS [mm] "SMD Inductor  Body Width 1.73mm Body Lenght 2.29mm Height 1.52mm, 0805CS Series"
  rect 1.02x1.78 smd: 1(-0.89,0) 2(0.89,0)
  silkscreen extent 0,-0.75 0,0.75, body extent -1.14,-0.86 1.14,0.86, height 1.52
IND_COILCRAFT_0806SQ-16N [mm] "Square Air Core Inductor, Body Width 2.286mm Body Lenght 1.829mm Height 1.397mm, 0806SQ Series"
  rect 0.51x2.6 smd: 1(-0.98,0) 2(0.98,0)
  silkscreen extent -0.38,-1.04 0.38,1.04, body extent -1.22,-1.05 1.22,1.05, height 1.49
IND_MURATA_LQH32C [mm] "Chip Inductor, 3.40mm L X 2.50mm W X 2.20mm H, MURATA LQH32 Series"
  rect 1.1x1 smd: 1(-2.2,0) 2(2.2,0)
  rect 1x2 smd: 1(-1.15,0) 2(1.15,0)
  silkscreen extent -2.05,-1.4 2.05,1.4, body extent -1.75,-1.25 1.75,1.25, height 2.2
INDC1005X55N [mm] "Chip Inductor, 2-Leads, EIA 0402, Metric 1005, Body 1x0.5mm, 0402IPC Medium Density"
  rect 0.6x0.62 smd: 1(-0.46,0) 2(0.46,0)
  body extent -0.52,-0.27 0.53,0.28, height 0.55
LT1617 [mm] "SOT23, 5-Leads, Body 2,90x2,80mm, Pitch 0,95mm, IPC Medium Density"
  rect 1x0.6 smd: 1(-1.375,0.95) 2(-1.375,0) 3(-1.375,-0.95) 4(1.375,-0.95) 5(1.375,0.95)
  silkscreen extent -1.5,-1.5 0.5,1.92, body extent -0.88,-1.5 0.87,1.5, height 1.5
M80-5000000M5-02-333-00-000 [mm] "2pin (2 power), THT socket with M2 jackscrews (H=6.05mm, W=18mm, D=8.6mm)"
  round 2.25 hole 1.65: A(-2,1) B(2,1)
  round 4.4 hole 2.25: M1(-6.5,0) M2(6.5,0)
  silkscreen extent -9.2,-2.5 9.2,7.3, body extent -9,-2 9,7.1, height 6.08
MINI-CIRCUITS_CA531 [mil] "MINI-CIRCUITS Case CA531, 0.94mm Pitch, Body 3mm W X 3.1mm L"
  rect 50x20 smd: 1(-45,37.01) 2(-45,0) 3(-45,-37.01) 4(45,-37.01) 5(45,0) 6(45,37.01)
  silkscreen extent -60,-61 33,74, body extent -59,-61 59,61, height 64
MINI-CIRCUITS_MT1818 [mm] "MINI-CIRCUITS MT1818 Case, Body 2.06mm L X 2.06mm W X 0.61mm H"
  rect 0.44x0.2 smd: 1(-0.925,0.5) 2(-0.925,0) 3(-0.925,-0.5) 7(0.925,-0.5) 8(0.925,0) 9(0.925,0.5)
  rect 0.2x0.44 smd: 4(-0.5,-0.925) 5(0,-0.925) 6(0.5,-0.925) 10(0.5,0.925) 11(0,0.925) 12(-0.5,0.925)
  rect 0.3x0.3 smd: 13(0,0)
  Top region: -0.43,-0.43 0.43,-0.43 0.43,0.43 -0.23,0.43 -0.245,0.353 -0.288,0.289 -0.353,0.245 -0.43,0.23 -0.43,0.23
  silkscreen extent -1.42,-1.03 1.03,1.43, body extent -1.03,-1.03 1.03,1.03, height 0.61
MINI-CIRCUITS_TT1224 [mm] "MINI-CIRCUITS TT1224 Case, 6 pin, 6.35mm W X 7.87mm L"
  rect 1.65x1.52 smd: 1(2.985,2.54) 2(2.985,0) 3(2.985,-2.54) 4(-2.985,-2.54) 5(-2.985,0) 6(-2.985,2.54)
  Top region: -3.175,-0.76 -1.395,-0.76 -1.395,-3.3 3.175,-3.3 3.175,0.76 1.395,0.76 1.395,3.3 -3.175,3.3
  silkscreen extent -4.45,-3.94 3.18,3.94, body extent -3.17,-3.93 3.18,3.94, height 4.11
MTG240_400 [mm] "Plated Through Hole: Hole Dia.=2.4mm Pad Dia.=4.0mm"
  round 4 hole 2.4: 1(0,0)
OSC_CRYSTEK_CCHD-575 [mm] "Oscillator, 5.08mm Pitch; 4 Pin, 5.08mm L X 7.5mm W X 2.5mm H, CCHD-575 Serie"
  rect 1.8x1.27 smd: 1(-1.955,2.54) 2(-1.955,-2.54) 3(1.955,-2.54) 4(1.955,2.54)
  silkscreen extent -3.65,-3.75 2.54,3.75, body extent -2.54,-3.75 2.54,3.75, height 2.5
PCB_CONN_0603M [mm] "Colder connection between boards - by 0603 0R jumper"
  rect 1x1 smd: 1(0,0)
  body extent 0.14,-0.47 1.89,0.48, height 0.55
PCB_CONN_1206M [mm] "Colder connection between boards - by 1206 0R jumper"
  rect 1.15x1.8 smd: 1(0,0)
  body extent -0.22,-0.87 3.13,0.88, height 0.65
QPL9065 [mm]
  oval 0.8x0.25 smd: 1(-1.7,0.75) 2(-1.7,0.25) 3(-1.7,-0.25) 4(-1.7,-0.75) 9(1.7,-0.75) 10(1.7,-0.25) 11(1.7,0.25) 12(1.7,0.75)
  oval 0.25x0.8 smd: 5(-0.75,-1.7) 6(-0.25,-1.7) 7(0.25,-1.7) 8(0.75,-1.7) 13(0.75,1.7) 14(0.25,1.7) 15(-0.25,1.7) 16(-0.75,1.7)
  rect 2.2x2.2 smd: 17(0,0)
  silkscreen extent -2.72,-1.95 1.95,1.95, body extent -1.8,-1.8 1.8,1.8, height 1.26
RESC1005X40N [mm] "Chip Resistor, EIA 0402, Metric 1005, Body 1.0x0.5mm, IPC Medium Density"
  rect 0.58x0.62 smd: 1(-0.47,0) 2(0.47,0)
  body extent -0.52,-0.27 0.53,0.28, height 0.4
RESC1608X55N [mm] "Chip Resistor, EIA 0603, Metric 1608, Body 1.6x0.8mm, IPC Medium Density"
  rect 0.9x1 smd: 1(-0.8,0) 2(0.8,0)
  body extent -0.87,-0.47 0.88,0.48, height 0.55
RESC3216X65N [mm] "Chip Resistor, EIA 1206, Metric 3216, Body 3.2x1.6mm, IPC Medium Density"
  rect 1.15x1.8 smd: 1(-1.45,0) 2(1.45,0)
  silkscreen extent -0.5,-0.9 0.5,0.9, body extent -1.67,-0.87 1.68,0.88, height 0.65
SBB-2-23 [mil] "SOP, 6-Leads, Body 5,08x5,08mm, Pitch 1,27mm, Thermal Pad 5,34x1,68mm, IPC Medium Density"
  oval 100x30 smd: 1(-100,50) 2(-100,0) 3(-100,-50) 4(100,-50) 5(100,0) 6(100,50)
  rect 66.14x130 smd: 7(0,0)
  silkscreen extent -134,-104 89,104, body extent -104,-104 104,104, height 70
SOD3816X118N [mm] "SOD Diode (SOD-123); 2.70mm W X 1.60mm L X 1.18mm H body, IPC Medium Density"
  rect 0.95x0.8 smd: 1(-1.8,0) 2(1.8,0)
  silkscreen extent -2.13,-0.8 1.35,1.02, body extent -1.95,-0.9 1.95,0.9, height 1.18
SOP65P490X110-8N [mm] "SOP, 0.65mm pitch; 8 pin, 3.00mm W X 3.00mm L X 1.10mm H body, IPC Medium Density"
  rect 1.5x0.45 smd: 1(-2.2,0.975) 2(-2.2,0.325) 3(-2.2,-0.325) 4(-2.2,-0.975) 5(2.2,-0.975) 6(2.2,-0.325) 7(2.2,0.325) 8(2.2,0.975)
  silkscreen extent -2.82,-1.5 1.12,1.82, body extent -2.45,-1.55 2.45,1.55, height 1.1
SOT95P240X130-3N [mm] "SOT23 3-Leads, Pitch 0.95mm - Body 1.3x2.9mm, IPC Medium Density"
  rect 1.05x0.65 smd: 1(-1.15,0.95) 2(-1.15,-0.95) 3(1.15,0)
  silkscreen extent -1.53,-1.45 0.3,1.92, body extent -1.25,-1.5 1.25,1.5, height 1.3
SOT95P280X100-5N [mm] "SOT23, 0.95mm pitch; 5 pin, 1.625mm W X 2.9mm L, IPC Medium Density"
  rect 1.1x0.55 smd: 1(-1.35,0.95) 2(-1.35,0) 3(-1.35,-0.95) 4(1.35,-0.95) 5(1.35,0.95)
  silkscreen extent -1.78,-1.45 0.48,1.87, body extent -1.4,-1.5 1.4,1.5, height 1
SOT95P280X145-6N [mm] "SOT23, 6-Leads, Body 1.6x3.0mm, Pitch 0.95mm, IPC Medium Density"
  rect 1.05x0.6 smd: 1(-1.35,0.95) 2(-1.35,0) 3(-1.35,-0.95) 4(1.35,-0.95) 5(1.35,0) 6(1.35,0.95)
  silkscreen extent -1.77,-1.55 0.45,1.92, body extent -1.4,-1.5 1.4,1.5, height 1.45
SXBP-820+ [mm] "Chip Array, Concave, 8-Leads, Pitch 5,08mm,  Body 18,80x11,18mm,  IPC Medium Density"
  rect 1.85x1.5 smd: 1(-5.3,7.62) 2(-5.3,2.54) 3(-5.3,-2.54) 4(-5.3,-7.62) 5(5.3,-7.62) 6(5.3,-2.54) 7(5.3,2.54) 8(5.3,7.62)
  silkscreen extent -5.42,8.89 -5.18,9.14, body extent -5.78,-9.59 5.78,9.59, height 6.86
TELEGARTNER_J01151A0451 [mm] "SMA 50 ohm Edge Mount Bulkhead Jack Receptacle"
  rect 1.5x1 smd: 1(0,0)
  rect 8.6x1.1 smd: 2(5.65,4.2) 2(5.65,-4.2)
  Keep-Out Layer board cut-out: 1.35,-3.55 1.09,-3.491 0.881,-3.324 0.765,-3.084 0.765,-2.816 0.881,-2.576 1.09,-2.409 1.35,-2.35 1.35,-2.35 1.35,2.35 1.09,2.409 0.881,2.576 0.765,2.816 0.765,3.084 0.881,3.324 1.09,3.491 1.35,3.55 1.35,3.55 9.95,3.55 9.95,-3.55
  silkscreen extent 1.1,-4.75 21.45,4.75, body extent -0.65,-4.75 21.45,4.75, height 5.25
TGA2237-SM [mm] "QFN, 32-Leads, Body 5,00x5,00mm, Pitch 0,51mm, Thermal Pad 3,40x3,40mm, IPC Low Density"
  oval 1.1x0.35 smd: 1(-2.425,1.778) 2(-2.425,1.27) 3(-2.425,0.762) 4(-2.425,0.254) 5(-2.425,-0.254) 6(-2.425,-0.762) 7(-2.425,-1.27) 8(-2.425,-1.778) 17(2.425,-1.778) 18(2.425,-1.27) 19(2.425,-0.762) 20(2.425,-0.254) 21(2.425,0.254) 22(2.425,0.762) 23(2.425,1.27) 24(2.425,1.778)
  oval 0.35x1.1 smd: 9(-1.778,-2.425) 10(-1.27,-2.425) 11(-0.762,-2.425) 12(-0.254,-2.425) 13(0.254,-2.425) 14(0.762,-2.425) 15(1.27,-2.425) 16(1.778,-2.425) 25(1.778,2.425) 26(1.27,2.425) 27(0.762,2.425) 28(0.254,2.425) 29(-0.254,2.425) 30(-0.762,2.425) 31(-1.27,2.425) 32(-1.778,2.425)
  rect 3.4x3.4 smd: 33(0,0)
  silkscreen extent -3.49,-2.72 2.72,2.72, body extent -2.57,-2.57 2.57,2.57, height 1.76
TRIM_BOURNS_3223W [mm] "Bourns 3223W Trimming Potentiometer"
  rect 0.9x1.6 smd: 1(-1.4,-1.14) 3(1.4,-1.14)
  rect 1.3x1.3 smd: 2(0,1.29)
  silkscreen extent -1.95,-1.59 1.95,1.59, body extent -1.95,-1.81 1.95,1.81, height 4.16
XFMR_MINI-CIRCUITS_DB1627 [mm] "MINI-CIRCUITS RF Transformer, Case DB1627 - Body 4.06X3.81mm"
  rect 0.76x1.65 smd: 1(-1.27,1.59) 2(0,1.59) 3(1.27,1.59) 4(1.27,-1.59) 5(0,-1.59) 6(-1.27,-1.59)
  silkscreen extent -2.3,-0.37 1.91,1.73, body extent -1.9,-2.03 1.91,2.03, height 4.06